# KiCad board AnalogFNN.kicad_pcb (continued)
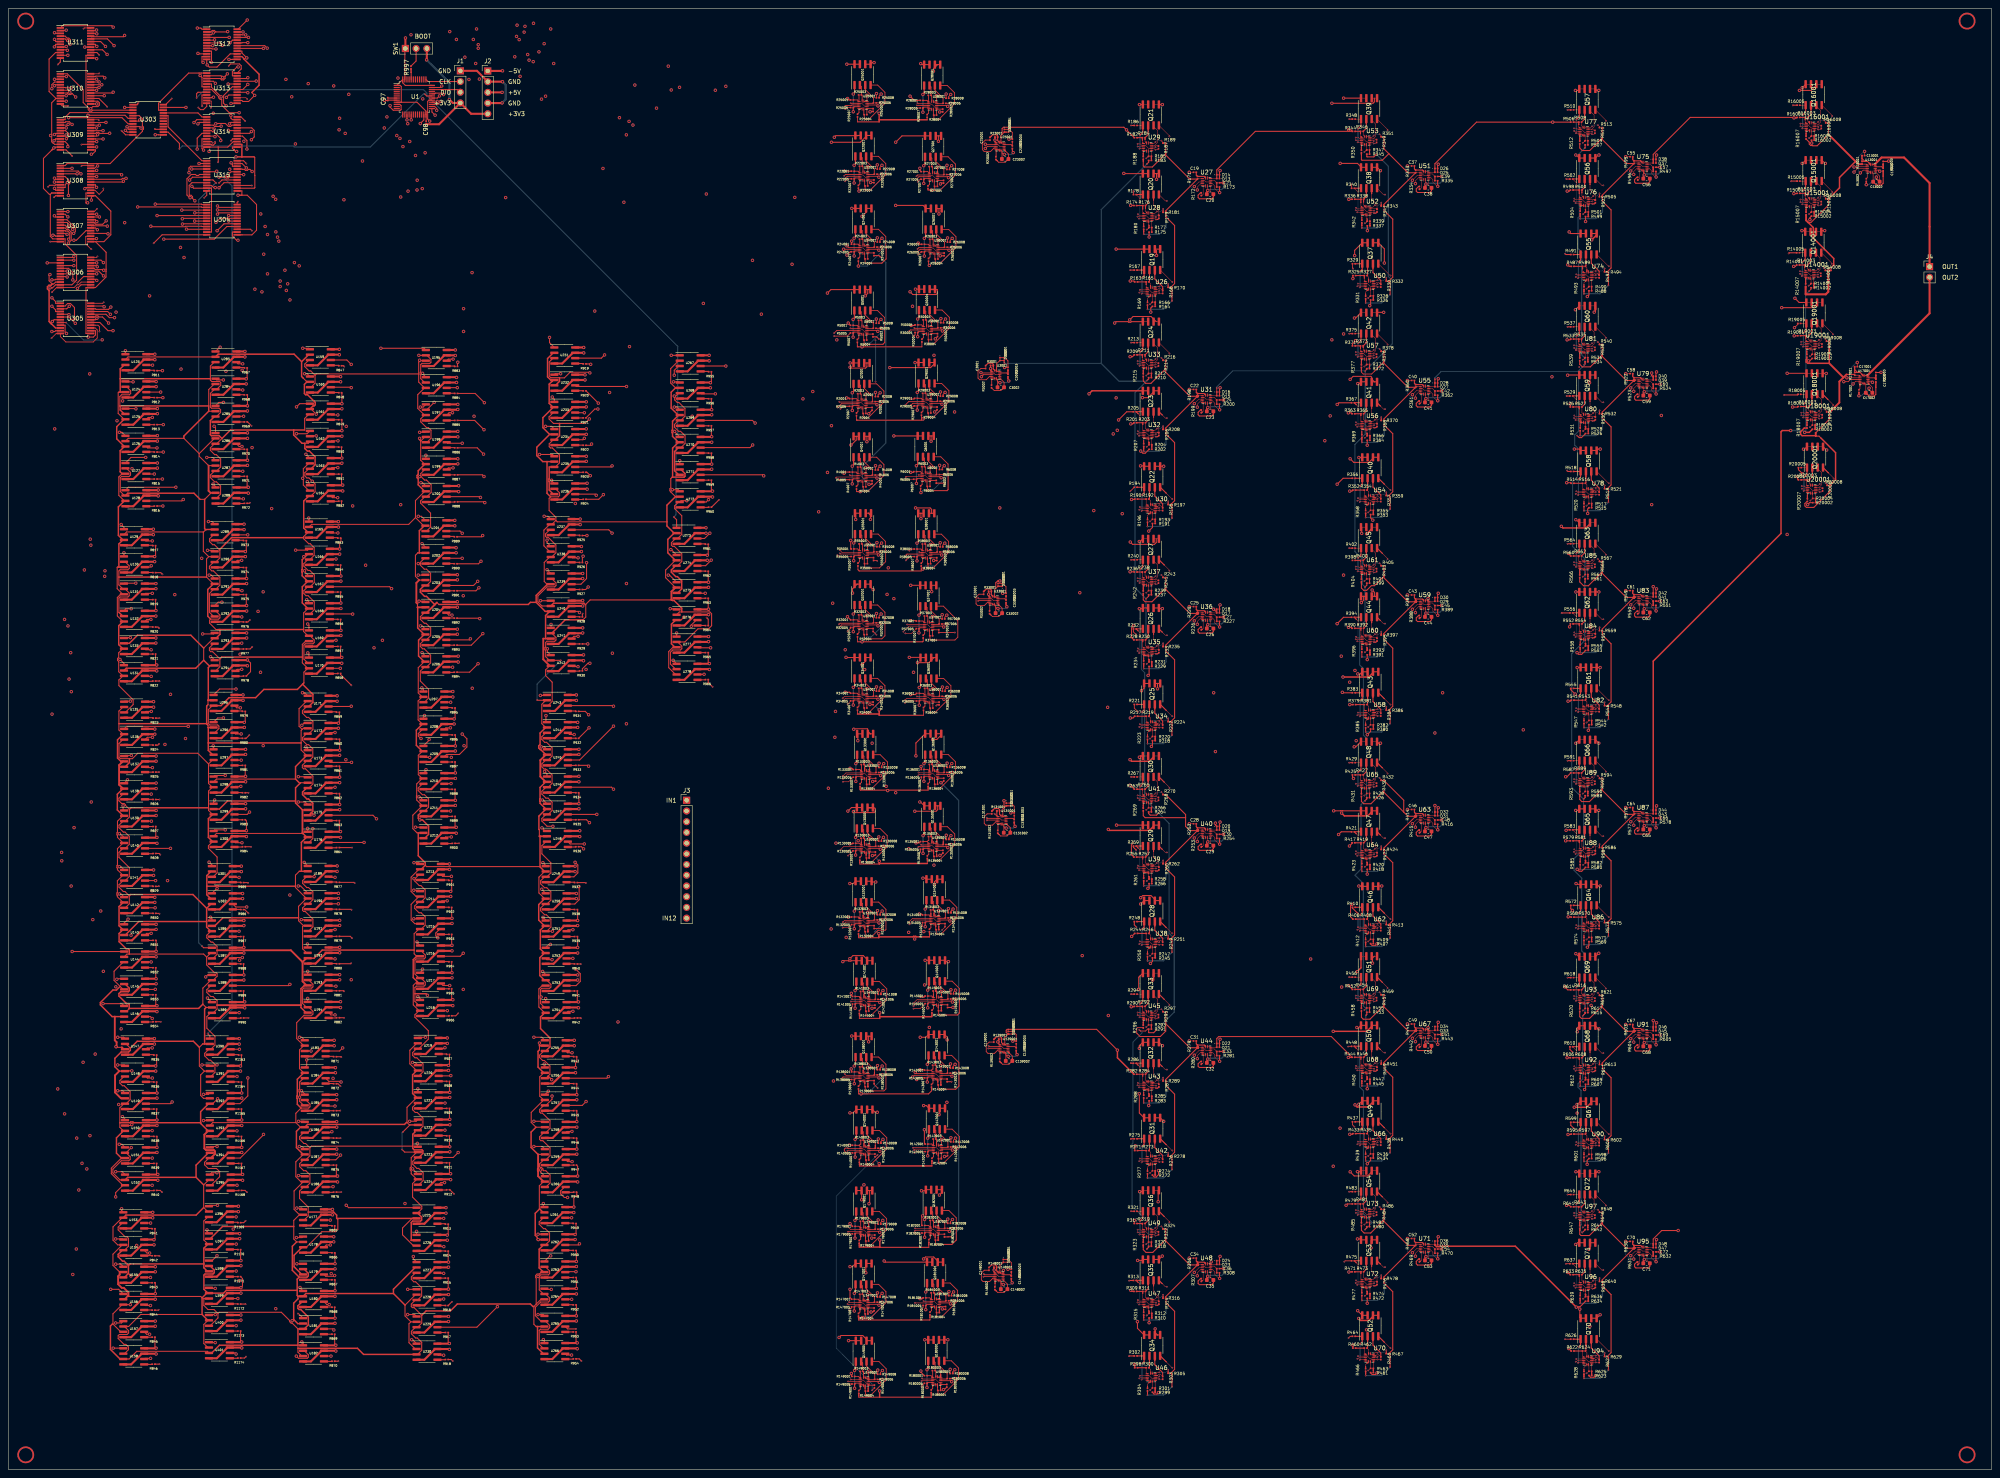
[diagram p0: board, top side]
## Routing (per net, layer and track width the routed paths; a pad name or vN(x,y) marks a point on that pad's centre or on a via; arc(x,y) is an arc through that point) (continued)
Net-(U46A--): length 3.5
  Top w0.1: 269.64,24.07 269.64,22.97 269.86,22.74
  Top w0.25: U46.1 269.86,22.74 ; R298.2 R300.1
Net-(U46B--): length 3.7
  Top w0.1: U46.5 270.51,21.1 U46.6 269.96,20.25 R304.1
  Top w0.25: 269.96,19.77 R304.1 ; 270.31,20.6 U46.6
Net-(U46C--): length 3.6
  Top w0.1: 271.78,21.07 R301.1
  Top w0.25: U46.8 271.81,21 271.78,20.97 ; 271.78,18.6 R299.2 271.78,18.6 ; 271.78,18.6 271.78,18.85 ; 271.78,18.85 R301.1 271.78,18.85
Net-(U46D--): length 5.6
  Top w0.1: 274.86,22.87 v2(274.86,23.65) ; U46.13 271.21,22.7 U46.12 272.16,23.05 v2(272.76,23.05)
  Top w0.25: 274.86,23.26 274.84,23.24 R305.1 ; U46.13 271.13,22.77
  Bottom w0.1: v2(274.86,23.65) 274.26,23.05 v2(272.76,23.05)
Net-(U47A--): length 3.9
  Top w0.1: R311.1 268.84,40.62 U47.1
  Top w0.25: 268.84,41.81 R311.1 R309.2
Net-(U47B--): length 3.6
  Top w0.1: R315.1 269.06,38.7 ; U47.5 269.26,38.6 U47.6
  Top w0.25: 269.18,38.68 U47.5 ; 269.56,38.6 269.06,38.6 ; 269.06,37.98 R315.1
Net-(U47C--): length 3.6
  Top w0.1: R312.1 270.98,38.72
  Top w0.25: 270.98,36.5 R312.1 270.98,36.5 ; 270.98,36.5 270.98,36.23 ; 270.98,36.22 R310.2 270.98,36.23 ; U47.8 270.98,38.72
Net-(U47D--): length 5.1
  Top w0.1: v2(273.66,41.45) 273.66,40.67 ; 271.33,40.35 271.66,40.35 v2(272.16,40.85) ; U47.12 270.86,40.5 U47.13
  Top w0.25: U47.12 271.33,40.35 271.33,40.35 ; 273.66,41.06 273.64,41.04 R316.1
  Bottom w0.1: v2(273.66,41.45) 273.06,40.85 v2(272.16,40.85)
Net-(U48B-+): length 8.7
  Top w0.1: U48.4 282.57,47.45 281.76,46.64 v1(281.76,45.95) ; C34.2 v1(279.86,50.15)
  Bottom w0.1: v1(281.76,45.95) 280.94,45.95 279.86,47.03 v1(279.86,50.15)
Net-(U48B--): length 3.9
  Top w0.1: U48.6 283.59,47.05 U48.5 283.14,46.9 283.14,44.94 282.84,44.63
  Top w0.25: 283.07,46.98 U48.5 ; 282.99,44.78 282.85,44.78 R307.1
Net-(U48C--): length 8.5
  Top w0.1: C35.1 284.89,45.62 U48.8
  Top w0.25: R307.2 282.5,45.27 281.96,44.72 281.96,44.15 282.26,43.85 285.16,43.85 285.57,44.26 C35.1
Net-(U48D-+): length 2.7
  Top w0.1: C36.2 285.77,48.25 U48.11
  Top w0.25: R308.1 C36.2
Net-(U49A--): length 3
  Top w0.1: U49.1 268.74,57.22 R319.1
  Top w0.25: R317.2 R319.1 268.74,58.16
Net-(U49B--): length 3
  Top w0.1: U49.6 269.61,55.35 U49.5
  Top w0.25: 268.96,54.58 R323.1 268.96,54.58 ; 268.96,54.58 268.96,55.3 268.98,55.32 269.01,55.32
  Top w0.35: 269.01,55.32 U49.5
Net-(U49C--): length 3.2
  Top w0.1: R320.1 270.88,55.32
  Top w0.25: U49.8 270.88,55.32 ; 270.88,53.2 R318.2 270.88,53.2 ; 270.88,53.2 270.88,53.45 ; 270.88,53.45 R320.1 270.88,53.45
Net-(U49D--): length 4.2
  Top w0.1: 273.64,57.16 273.64,57.27 v2(273.26,57.65) ; v2(271.86,57.35) 271.46,56.95 U49.12 270.76,57.1 U49.13
  Top w0.25: 273.64,57.16 R324.1
  Bottom w0.1: v2(273.26,57.65) 272.16,57.65 v2(271.86,57.35)
Net-(U50A--): length 4.4
  Top w0.1: U50.1 321.34,281.97 R327.1
  Top w0.25: 321.34,282.56 R327.1 R325.2 ; 321.47,281.83 U50.1
Net-(U50B--): length 3.7
  Top w0.1: U50.5 322.21,280.1 U50.6 321.66,279.25 R331.1
  Top w0.25: 321.66,278.77 R331.1 ; 322.01,279.6 U50.6
Net-(U50C--): length 3.4
  Top w0.1: R328.1 323.48,280.07
  Top w0.25: 323.48,277.85 R328.1 ; 323.48,277.85 R326.2 323.48,277.85 ; 323.48,279.97 323.51,280 U50.8
Net-(U50D--): length 5.5
  Top w0.1: v2(326.56,282.65) 326.56,281.87 ; U50.12 323.86,282.05 v2(324.46,282.05) ; 323.21,281.7 322.91,281.7 U50.13
  Top w0.25: 323.21,281.7 U50.12 ; R332.1 326.54,282.24 326.56,282.26
  Bottom w0.1: v2(326.56,282.65) 325.96,282.05 v2(324.46,282.05)
Net-(U51B-+): length 8.7
  Top w0.1: v1(333.46,304.95) 333.46,305.64 334.27,306.45 U51.4 ; C37.2 v1(331.56,309.15)
  Bottom w0.1: v1(333.46,304.95) 332.64,304.95 331.56,306.03 v1(331.56,309.15)
Net-(U51B--): length 3.6
  Top w0.1: U51.6 335.29,306.05 U51.5 334.84,305.9 334.84,303.94 334.54,303.63
  Top w0.25: R334.1 334.54,303.63
Net-(U51C--): length 8.5
  Top w0.1: C38.1 336.59,304.62 U51.8
  Top w0.25: R334.2 334.2,304.27 333.66,303.72 333.66,303.15 333.96,302.85 336.86,302.85 337.27,303.26 C38.1
Net-(U51D-+): length 2.7
  Top w0.1: U51.11 337.47,307.25 C39.2
  Top w0.25: R335.1 C39.2
Net-(U52A--): length 4.5
  Top w0.1: R338.1 320.54,299.62 U52.1
  Top w0.25: 320.54,300.43 R338.1 R336.2 ; 320.67,299.48 U52.1
Net-(U52B--): length 3.5
  Top w0.1: R342.1 320.76,297.7 ; U52.6 320.96,297.6 U52.5
  Top w0.25: 320.76,296.98 R342.1 ; 321.26,297.6 320.76,297.6
Net-(U52C--): length 3.4
  Top w0.1: R339.1 322.68,297.72
  Top w0.25: 322.68,295.5 R339.1 ; 322.68,295.5 R337.2 322.68,295.5 ; U52.8 322.68,297.72
Net-(U52D--): length 5.1
  Top w0.1: v2(325.36,300.45) 325.36,299.67 ; v2(323.86,299.85) 323.36,299.35 U52.12 322.56,299.5 U52.13
  Top w0.25: 325.36,300.06 325.34,300.04 R343.1
  Bottom w0.1: v2(323.86,299.85) 324.76,299.85 v2(325.36,300.45)
Net-(U53A--): length 3.5
  Top w0.1: U53.1 320.44,316.22 R346.1
  Top w0.25: 320.57,316.08 U53.1 ; R344.2 R346.1 320.44,316.78
Net-(U53B--): length 3.1
  Top w0.1: U53.5 321.31,314.35 U53.6
  Top w0.25: 320.66,313.58 R350.1 320.66,313.58 ; 320.66,313.58 320.66,314.3 320.68,314.32 320.71,314.32 U53.5 ; 321.38,314.27 U53.6
Net-(U53C--): length 2.9
  Top w0.1: R347.1 322.58,314.32
  Top w0.25: U53.8 322.58,314.32 ; R347.1 322.58,312.45 ; 322.58,312.45 R345.2 322.58,312.45
Net-(U53D--): length 4.2
  Top w0.1: v2(323.56,316.35) 323.16,315.95 U53.12 322.46,316.1 U53.13 ; 325.34,316.16 325.34,316.27 v2(324.96,316.65)
  Top w0.25: 325.34,316.16 R351.1
  Bottom w0.1: v2(323.56,316.35) 323.86,316.65 v2(324.96,316.65)
Net-(U54A--): length 3.5
  Top w0.1: 321.34,232.2 321.34,231.1 321.56,230.87
  Top w0.25: R352.2 R354.1 ; U54.1 321.56,230.87
Net-(U54B--): length 3.7
  Top w0.1: U54.5 322.21,229.23 U54.6 321.66,228.38 R358.1
  Top w0.25: 322.01,228.73 U54.6 ; 321.66,227.9 R358.1
Net-(U54C--): length 3.6
  Top w0.1: R355.1 323.48,229.2
  Top w0.25: 323.48,229.1 323.51,229.13 U54.8 ; 323.48,226.73 323.48,226.98 ; 323.48,226.73 R353.2 323.48,226.73 ; 323.48,226.98 R355.1 323.48,226.98
Net-(U54D--): length 5.6
  Top w0.1: v2(324.46,231.18) 323.86,231.18 U54.12 322.91,230.83 U54.13 ; v2(326.56,231.78) 326.56,231
  Top w0.25: U54.13 322.83,230.91 ; R359.1 326.54,231.37 326.56,231.39
  Bottom w0.1: v2(324.46,231.18) 325.96,231.18 v2(326.56,231.78)
Net-(U55B-+): length 8.7
  Top w0.1: C40.2 v1(331.56,258.28) ; v1(333.46,254.08) 333.46,254.77 334.27,255.58 U55.4
  Bottom w0.1: v1(333.46,254.08) 332.64,254.08 331.56,255.16 v1(331.56,258.28)
Net-(U55B--): length 3.9
  Top w0.1: U55.6 335.29,255.18 U55.5 334.84,255.03 334.84,253.07 334.54,252.76
  Top w0.25: 334.69,252.91 334.55,252.91 R361.1 ; 334.77,255.11 U55.5
Net-(U55C--): length 8.5
  Top w0.1: C41.1 336.59,253.75 U55.8
  Top w0.25: R361.2 334.2,253.4 333.66,252.85 333.66,252.28 333.96,251.98 336.86,251.98 337.27,252.39 C41.1
Net-(U55D-+): length 2.7
  Top w0.1: U55.11 337.47,256.38 C42.2
  Top w0.25: R362.1 C42.2
Net-(U56A--): length 3.9
  Top w0.1: R365.1 320.54,248.75 U56.1
  Top w0.25: 320.54,249.94 R365.1 R363.2
Net-(U56B--): length 3.6
  Top w0.1: U56.5 320.96,246.73 U56.6 ; 320.76,246.83 R369.1
  Top w0.25: 320.76,246.12 320.76,246.11 R369.1 ; 321.26,246.73 320.76,246.73 ; 320.88,246.81 U56.5
Net-(U56C--): length 3.3
  Top w0.1: R366.1 322.68,246.85
  Top w0.25: 322.68,244.63 R366.1 322.68,244.63 ; 322.68,244.63 322.68,244.11 ; U56.8 322.68,246.85
Net-(U56D--): length 5.1
  Top w0.1: U56.13 322.56,248.63 U56.12 ; 323.03,248.48 323.36,248.48 v2(323.86,248.98) ; 325.36,248.8 v2(325.36,249.58)
  Top w0.25: 325.36,249.19 325.34,249.17 R370.1 ; 323.03,248.48 323.03,248.48 U56.12
  Bottom w0.1: v2(323.86,248.98) 324.76,248.98 v2(325.36,249.58)
Net-(U57A--): length 3.5
  Top w0.1: R373.1 320.44,265.35 U57.1
  Top w0.25: R371.2 R373.1 320.44,265.91 ; 320.57,265.21 U57.1
Net-(U57B--): length 3.1
  Top w0.1: U57.5 321.31,263.48 U57.6
  Top w0.25: U57.5 320.71,263.45 320.68,263.45 320.66,263.43 320.66,262.71 ; 320.66,262.71 R377.1 320.66,262.71 ; U57.6 321.38,263.4
Net-(U57C--): length 2.9
  Top w0.1: R374.1 322.58,263.45
  Top w0.25: U57.8 322.58,263.45 ; 322.58,261.58 R372.2 ; 322.58,261.58 R374.1 322.58,261.58
Net-(U57D--): length 4.2
  Top w0.1: 325.34,265.29 325.34,265.4 v2(324.96,265.78) ; U57.13 322.46,265.23 U57.12 323.16,265.08 v2(323.56,265.48)
  Top w0.25: 325.34,265.29 R378.1
  Bottom w0.1: v2(323.56,265.48) 323.86,265.78 v2(324.96,265.78)
Net-(U58A--): length 3.5
  Top w0.1: 321.56,180 321.34,180.23 321.34,181.33
  Top w0.25: U58.1 321.56,180 ; R379.2 R381.1
Net-(U58B--): length 3.7
  Top w0.1: R385.1 321.66,177.51 U58.6 322.21,178.36 U58.5
  Top w0.25: 322.01,177.86 U58.6 ; 321.66,177.03 R385.1
Net-(U58C--): length 3.4
  Top w0.1: 323.48,178.33 R382.1
  Top w0.25: R380.2 323.48,176.11 ; 323.48,176.11 R382.1 323.48,176.11 ; U58.8 323.51,178.26 323.48,178.23
Net-(U58D--): length 5.6
  Top w0.1: 326.56,180.13 v2(326.56,180.91) ; v2(324.46,180.31) 323.86,180.31 U58.12 322.91,179.96 U58.13
  Top w0.25: U58.13 322.83,180.03 ; 326.56,180.52 326.54,180.5 R386.1
  Bottom w0.1: v2(324.46,180.31) 325.96,180.31 v2(326.56,180.91)
Net-(U59B-+): length 8.7
  Top w0.1: C43.2 v1(331.56,207.41) ; U59.4 334.27,204.71 333.46,203.9 v1(333.46,203.21)
  Bottom w0.1: v1(333.46,203.21) 332.64,203.21 331.56,204.29 v1(331.56,207.41)
Net-(U59B--): length 3.9
  Top w0.1: 334.54,201.89 334.84,202.2 334.84,204.16 U59.5 335.29,204.31 U59.6
  Top w0.25: 334.77,204.24 U59.5 ; 334.69,202.04 334.55,202.04 R388.1
Net-(U59C--): length 8.5
  Top w0.1: C44.1 336.59,202.88 U59.8
  Top w0.25: R388.2 334.2,202.53 333.66,201.98 333.66,201.41 333.96,201.11 336.86,201.11 337.27,201.52 C44.1
Net-(U59D-+): length 2.7
  Top w0.1: C45.2 337.47,205.51 U59.11
  Top w0.25: R389.1 C45.2
Net-(U60A--): length 3.9
  Top w0.1: U60.1 320.54,197.88 R392.1
  Top w0.25: R390.2 R392.1 320.54,199.07
Net-(U60B--): length 3.6
  Top w0.1: 320.76,195.96 R396.1 ; U60.6 320.96,195.86 U60.5
  Top w0.25: 320.76,195.24 R396.1 ; 321.26,195.86 320.76,195.86 ; 320.88,195.94 U60.5
Net-(U60C--): length 3.6
  Top w0.1: R393.1 322.68,195.98
  Top w0.25: U60.8 322.68,195.98 ; 322.68,193.49 R391.2 322.68,193.48 ; 322.68,193.49 322.68,193.76 ; 322.68,193.76 R393.1 322.68,193.76
Net-(U60D--): length 5.1
  Top w0.1: 323.03,197.61 323.36,197.61 v2(323.86,198.11) ; 325.36,197.93 v2(325.36,198.71) ; U60.12 322.56,197.76 U60.13
  Top w0.25: 325.36,198.32 325.34,198.3 R397.1 ; 323.03,197.61 323.03,197.61 U60.12
  Bottom w0.1: v2(325.36,198.71) 324.76,198.11 v2(323.86,198.11)
Net-(U61A--): length 3
  Top w0.1: R400.1 320.44,214.48 U61.1
  Top w0.25: 320.44,215.42 R400.1 R398.2
Net-(U61B--): length 3
  Top w0.1: U61.6 321.31,212.61 321.01,212.61
  Top w0.25: 321.01,212.61 U61.5 ; 320.66,211.84 R404.1 320.66,211.84 ; 320.66,211.84 320.66,212.56 320.68,212.59 320.71,212.59
  Top w0.35: U61.5 320.71,212.59
Net-(U61C--): length 2.9
  Top w0.1: R401.1 322.58,212.58
  Top w0.25: 322.58,210.71 R399.2 ; 322.58,210.71 R401.1 322.58,210.71 ; U61.8 322.58,212.58
Net-(U61D--): length 4.2
  Top w0.1: v2(324.96,214.91) 325.34,214.53 325.34,214.42 ; v2(323.56,214.61) 323.16,214.21 U61.12 322.46,214.36 U61.13
  Top w0.25: 325.34,214.42 R405.1
  Bottom w0.1: v2(323.56,214.61) 323.86,214.91 v2(324.96,214.91)
Net-(U62A--): length 3.5
  Top w0.1: 321.34,130.46 321.34,129.36 321.56,129.13
  Top w0.25: U62.1 321.56,129.13 ; R406.2 R408.1
Net-(U62B--): length 3.7
  Top w0.1: R412.1 321.66,126.64 U62.6 322.21,127.49 U62.5
  Top w0.25: 321.66,126.16 R412.1 ; 322.01,126.99 U62.6
Net-(U62C--): length 3.4
  Top w0.1: R409.1 323.48,127.46
  Top w0.25: U62.8 323.51,127.39 323.48,127.36 ; 323.48,125.24 R409.1 323.48,125.24 ; 323.48,125.24 R407.2
Net-(U62D--): length 5.6
  Top w0.1: v2(326.56,130.04) 326.56,129.26 ; v2(324.46,129.44) 323.86,129.44 U62.12 322.91,129.09 U62.13
  Top w0.25: U62.13 322.83,129.16 ; 326.56,129.65 326.54,129.63 R413.1
  Bottom w0.1: v2(324.46,129.44) 325.96,129.44 v2(326.56,130.04)
Net-(U63B-+): length 8.7
  Top w0.1: v1(333.46,152.34) 333.46,153.03 334.27,153.84 U63.4 ; C46.2 v1(331.56,156.54)
  Bottom w0.1: v1(333.46,152.34) 332.64,152.34 331.56,153.42 v1(331.56,156.54)
Net-(U63B--): length 3.9
  Top w0.1: 334.54,151.02 334.84,151.33 334.84,153.29 U63.5 335.29,153.44 U63.6
  Top w0.25: R415.1 334.55,151.17 334.69,151.17 ; 334.77,153.37 U63.5
Net-(U63C--): length 8.5
  Top w0.1: C47.1 336.59,152.01 U63.8
  Top w0.25: C47.1 337.27,150.65 336.86,150.24 333.96,150.24 333.66,150.54 333.66,151.11 334.2,151.66 R415.2
Net-(U63D-+): length 2.7
  Top w0.1: C48.2 337.47,154.64 U63.11
  Top w0.25: R416.1 C48.2
Net-(U64A--): length 3.9
  Top w0.1: R419.1 320.54,147.01 U64.1
  Top w0.25: R417.2 R419.1 320.54,148.2
Net-(U64B--): length 3.6
  Top w0.1: R423.1 320.76,145.09 ; U64.5 320.96,144.99 U64.6
  Top w0.25: 320.76,144.38 320.76,144.37 R423.1 ; 320.88,145.06 U64.5 ; 321.26,144.99 320.76,144.99
Net-(U64C--): length 3.6
  Top w0.1: R420.1 322.68,145.11
  Top w0.25: 322.68,142.62 322.68,142.89 ; 322.68,142.62 322.68,142.61 R418.2 322.68,142.62 ; 322.68,142.89 R420.1 322.68,142.89 ; U64.8 322.68,145.11
Net-(U64D--): length 5.1
  Top w0.1: v2(325.36,147.84) 325.36,147.06 ; v2(323.86,147.24) 323.36,146.74 323.03,146.74 ; U64.12 322.56,146.89 U64.13
  Top w0.25: U64.12 323.03,146.74 323.03,146.74 ; R424.1 325.34,147.43 325.36,147.45
  Bottom w0.1: v2(325.36,147.84) 324.76,147.24 v2(323.86,147.24)
Net-(U65A--): length 3
  Top w0.1: R427.1 320.44,163.61 U65.1
  Top w0.25: 320.44,164.55 R427.1 R425.2
Net-(U65B--): length 3
  Top w0.1: U65.6 321.31,161.74 U65.5
  Top w0.25: 320.66,160.97 R431.1 320.66,160.97 320.66,160.97 ; 320.66,160.97 320.66,161.69 320.68,161.72 320.71,161.72
  Top w0.35: U65.5 320.71,161.72
Net-(U65C--): length 2.9
  Top w0.1: R428.1 322.58,161.71
  Top w0.25: 322.58,159.84 R428.1 322.58,159.84 ; 322.58,159.84 R426.2 ; U65.8 322.58,161.71
Net-(U65D--): length 4.2
  Top w0.1: 325.34,163.55 325.34,163.66 v2(324.96,164.04) ; v2(323.56,163.74) 323.16,163.34 U65.12 322.46,163.49 U65.13
  Top w0.25: 325.34,163.55 R432.1
  Bottom w0.1: v2(323.56,163.74) 323.86,164.04 v2(324.96,164.04)
Net-(U66A--): length 3.5
  Top w0.1: 321.34,79.59 321.34,78.49 321.56,78.26
  Top w0.25: U66.1 321.56,78.26 ; R433.2 R435.1
Net-(U66B--): length 3.7
  Top w0.1: R439.1 321.66,75.77 U66.6 322.21,76.62 U66.5
  Top w0.25: 321.66,75.29 R439.1 ; 322.01,76.12 U66.6
Net-(U66C--): length 3.6
  Top w0.1: R436.1 323.48,76.59
  Top w0.25: 323.48,74.12 R434.2 323.48,74.12 ; 323.48,74.12 323.48,74.37 ; 323.48,74.37 R436.1 323.48,74.37 ; U66.8 323.51,76.52 323.48,76.49
Net-(U66D--): length 5.6
  Top w0.1: U66.13 322.91,78.22 U66.12 323.86,78.57 v2(324.46,78.57) ; 326.56,78.39 v2(326.56,79.17)
  Top w0.25: 326.56,78.78 326.54,78.76 R440.1 ; 322.83,78.3 U66.13
  Bottom w0.1: v2(326.56,79.17) 325.96,78.57 v2(324.46,78.57)
Net-(U67B-+): length 8.7
  Top w0.1: v1(333.46,101.47) 333.46,102.16 334.27,102.97 U67.4 ; C49.2 v1(331.56,105.67)
  Bottom w0.1: v1(331.56,105.67) 331.56,102.55 332.64,101.47 v1(333.46,101.47)
Net-(U67B--): length 3.9
  Top w0.1: U67.6 335.29,102.57 U67.5 334.84,102.42 334.84,100.46 334.54,100.15
  Top w0.25: 334.77,102.5 U67.5 ; R442.1 334.55,100.3 334.69,100.3
Net-(U67C--): length 8.5
  Top w0.1: U67.8 336.59,101.14 C50.1
  Top w0.25: R442.2 334.2,100.79 333.66,100.24 333.66,99.67 333.96,99.37 336.86,99.37 337.27,99.78 C50.1
Net-(U67D-+): length 2.7
  Top w0.1: U67.11 337.47,103.77 C51.2
  Top w0.25: R443.1 C51.2
Net-(U68A--): length 3.9
  Top w0.1: U68.1 320.54,96.14 R446.1
  Top w0.25: 320.54,97.33 R446.1 R444.2
Net-(U68B--): length 3.6
  Top w0.1: 320.76,94.22 R450.1 ; U68.5 320.96,94.12 U68.6
  Top w0.25: 320.88,94.19 U68.5 ; 320.76,93.5 R450.1 ; 321.26,94.12 320.76,94.12
Net-(U68C--): length 3.6
  Top w0.1: R447.1 322.68,94.24
  Top w0.25: 322.68,91.74 R445.2 322.68,91.75 ; 322.68,91.75 322.68,92.02 ; 322.68,92.02 R447.1 322.68,92.02 ; U68.8 322.68,94.24
Net-(U68D--): length 5.1
  Top w0.1: 325.36,96.19 v2(325.36,96.97) ; U68.12 322.56,96.02 U68.13 ; 323.03,95.87 323.36,95.87 v2(323.86,96.37)
  Top w0.25: 325.36,96.58 325.34,96.56 R451.1 ; U68.12 323.03,95.87 323.03,95.87
  Bottom w0.1: v2(323.86,96.37) 324.76,96.37 v2(325.36,96.97)
Net-(U69A--): length 3
  Top w0.1: U69.1 320.44,112.74 R454.1
  Top w0.25: R452.2 R454.1 320.44,113.68
Net-(U69B--): length 3
  Top w0.1: U69.5 321.31,110.87 U69.6
  Top w0.25: 320.71,110.84 320.68,110.84 320.66,110.82 320.66,110.1 ; 320.66,110.1 R458.1 320.66,110.1
  Top w0.35: U69.5 320.71,110.84
Net-(U69C--): length 3.2
  Top w0.1: R455.1 322.58,110.84
  Top w0.25: 322.58,108.97 322.58,108.72 ; 322.58,108.97 R455.1 322.58,108.97 ; 322.58,108.72 R453.2 322.58,108.72 ; U69.8 322.58,110.84
Net-(U69D--): length 4.2
  Top w0.1: U69.13 322.46,112.62 U69.12 323.16,112.47 v2(323.56,112.87) ; v2(324.96,113.17) 325.34,112.79 325.34,112.68
  Top w0.25: 325.34,112.68 R459.1
  Bottom w0.1: v2(323.56,112.87) 323.86,113.17 v2(324.96,113.17)
Net-(U70A--): length 3.5
  Top w0.1: 321.34,28.72 321.34,27.62 321.56,27.39
  Top w0.25: R460.2 R462.1 ; U70.1 321.56,27.39
Net-(U70B--): length 3.7
  Top w0.1: U70.5 322.21,25.75 U70.6 321.66,24.9 R466.1
  Top w0.25: 322.01,25.25 U70.6 ; 321.66,24.42 R466.1
Net-(U70C--): length 3.4
  Top w0.1: R463.1 323.48,25.72
  Top w0.25: 323.48,25.62 323.51,25.65 U70.8 ; R461.2 323.48,23.5 ; 323.48,23.5 R463.1 323.48,23.5
Net-(U70D--): length 5.6
  Top w0.1: U70.13 322.91,27.35 U70.12 323.86,27.7 v2(324.46,27.7) ; 326.56,27.52 v2(326.56,28.3)
  Top w0.25: U70.13 322.83,27.43 ; R467.1 326.54,27.89 326.56,27.91
  Bottom w0.1: v2(326.56,28.3) 325.96,27.7 v2(324.46,27.7)
Net-(U71B-+): length 8.7
  Top w0.1: C52.2 v1(331.56,54.8) ; v1(333.46,50.6) 333.46,51.29 334.27,52.1 U71.4
  Bottom w0.1: v1(331.56,54.8) 331.56,51.68 332.64,50.6 v1(333.46,50.6)
Net-(U71B--): length 3.9
  Top w0.1: 334.54,49.28 334.84,49.59 334.84,51.55 U71.5 335.29,51.7 U71.6
  Top w0.25: 334.69,49.43 334.55,49.43 R469.1 ; 334.77,51.62 U71.5
Net-(U71C--): length 8.5
  Top w0.1: C53.1 336.59,50.27 U71.8
  Top w0.25: R469.2 334.2,49.92 333.66,49.37 333.66,48.8 333.96,48.5 336.86,48.5 337.27,48.91 C53.1
Net-(U71D-+): length 2.7
  Top w0.1: C54.2 337.47,52.9 U71.11
  Top w0.25: R470.1 C54.2
Net-(U72A--): length 3.9
  Top w0.1: U72.1 320.54,45.27 R473.1
  Top w0.25: R471.2 R473.1 320.54,46.46
Net-(U72B--): length 3.6
  Top w0.1: 320.76,43.35 R477.1 ; U72.6 320.96,43.25 U72.5
  Top w0.25: R477.1 320.76,42.63 320.76,42.63 ; 320.88,43.32 U72.5 ; 321.26,43.25 320.76,43.25
Net-(U72C--): length 3.3
  Top w0.1: R474.1 322.68,43.37
  Top w0.25: 322.68,40.63 322.68,41.15 ; 322.68,41.15 R474.1 322.68,41.15 ; U72.8 322.68,43.37
Net-(U72D--): length 5.1
  Top w0.1: v2(325.36,46.1) 325.36,45.32 ; U72.13 322.56,45.15 U72.12 ; v2(323.86,45.5) 323.36,45 323.03,45
  Top w0.25: 323.03,45 323.03,45 U72.12 ; R478.1 325.34,45.69 325.36,45.71
  Bottom w0.1: v2(325.36,46.1) 324.76,45.5 v2(323.86,45.5)
Net-(U73A--): length 3
  Top w0.1: R481.1 320.44,61.87 U73.1
  Top w0.25: R479.2 R481.1 320.44,62.81
Net-(U73B--): length 3
  Top w0.1: 321.01,60 321.31,60 U73.6
  Top w0.25: 320.71,59.98 320.68,59.98 320.66,59.95 320.66,59.24 ; 320.66,59.24 R485.1 320.66,59.23 320.66,59.24 ; 321.01,60 U73.5
  Top w0.35: U73.5 320.71,59.98
Net-(U73C--): length 2.9
  Top w0.1: R482.1 322.58,59.97
  Top w0.25: 322.58,58.1 R480.2 ; 322.58,58.1 R482.1 322.58,58.1 ; U73.8 322.58,59.97
Net-(U73D--): length 4.2
  Top w0.1: 325.34,61.81 325.34,61.92 v2(324.96,62.3) ; U73.13 322.46,61.75 U73.12 323.16,61.6 v2(323.56,62)
  Top w0.25: 325.34,61.81 R486.1
  Bottom w0.1: v2(324.96,62.3) 323.86,62.3 v2(323.56,62)
Net-(U74A--): length 4.4
  Top w0.1: U74.1 373.08,284.16 R489.1
  Top w0.25: U74.1 373.21,284.02 373.21,284.02 ; 373.08,284.75 R489.1 R487.2
Net-(U74B--): length 3.7
  Top w0.1: R493.1 373.4,281.44 U74.6 373.95,282.29 U74.5
  Top w0.25: 373.4,280.96 R493.1 ; 373.75,281.79 U74.6
Net-(U74C--): length 2.8
  Top w0.1: 375.22,280.61 375.22,282.26
  Top w0.25: U74.8 375.25,282.19 375.22,282.16 ; R488.2 R490.1
Net-(U74D--): length 5.5
  Top w0.1: v2(376.2,284.24) 375.6,284.24 U74.12 ; 374.95,283.89 374.65,283.89 U74.13 ; v2(378.3,284.84) 378.3,284.06
  Top w0.25: 378.3,284.45 378.28,284.43 R494.1 ; 374.95,283.89 U74.12
  Bottom w0.1: v2(376.2,284.24) 377.7,284.24 v2(378.3,284.84)
Net-(U75B-+): length 8.7
  Top w0.1: U75.4 386.01,308.64 385.2,307.82 v1(385.2,307.14) ; C55.2 v1(383.3,311.34)
  Bottom w0.1: v1(385.2,307.14) 384.38,307.14 383.3,308.22 v1(383.3,311.34)
Net-(U75B--): length 3.7
  Top w0.1: 386.28,305.82 386.59,306.13 386.59,308.09 U75.5 387.04,308.24 U75.6
  Top w0.25: R496.1 386.28,305.82 ; 387.11,308.16 U75.6
Net-(U75C--): length 8.5
  Top w0.1: U75.8 388.34,306.81 C56.1
  Top w0.25: 389.01,305.79 389.01,305.45 388.6,305.04 385.7,305.04 385.4,305.34 385.4,305.91 385.94,306.46 R496.2 ; U75.8 388.34,307.86 388.34,307.86
Net-(U75D-+): length 3.5
  Top w0.1: C57.2 389.22,309.44 U75.11
  Top w0.25: 389.82,308.34 R497.1 389.82,308.34 ; 389.82,308.34 389.82,308.59 ; 389.82,308.59 C57.2 389.82,308.59
Net-(U76A--): length 4.5
  Top w0.1: U76.1 372.28,301.81 R500.1
  Top w0.25: U76.1 372.41,301.67 372.41,301.67 ; 372.28,302.62 372.28,302.62 R500.1 R498.2
Net-(U76B--): length 3.5
  Top w0.1: R504.1 372.5,299.89 ; U76.6 372.7,299.79 U76.5
  Top w0.25: 372.5,299.17 R504.1 ; 373,299.79 372.5,299.79
Net-(U76C--): length 3.4
  Top w0.1: R501.1 374.42,299.91
  Top w0.25: 374.42,297.69 R499.2 374.42,297.69 ; 374.42,297.69 R501.1 ; U76.8 374.42,299.91
Net-(U76D--): length 5.1
  Top w0.1: U76.13 374.3,301.69 U76.12 375.1,301.54 v2(375.6,302.04) ; 377.1,301.86 v2(377.1,302.64)
  Top w0.25: R505.1 377.08,302.23 377.1,302.25
  Bottom w0.1: v2(375.6,302.04) 376.5,302.04 v2(377.1,302.64)
Net-(U77A--): length 3.5
  Top w0.1: U77.1 372.18,318.41 R508.1
  Top w0.25: 372.31,318.27 372.31,318.27 U77.1 ; 372.18,318.97 372.18,318.97 R508.1 R506.2
Net-(U77B--): length 3.1
  Top w0.1: U77.6 373.05,316.54 U77.5
  Top w0.25: U77.5 372.45,316.51 372.42,316.51 372.4,316.49 372.4,315.77 ; 372.4,315.77 R512.1 372.4,315.77 ; 373.12,316.46 U77.6
Net-(U77C--): length 2.3
  Top w0.1: 374.32,315.21 374.32,316.51
  Top w0.25: U77.8 374.32,316.51 ; R509.1 R507.2
Net-(U77D--): length 4.2
  Top w0.1: 377.08,318.35 377.08,318.46 v2(376.7,318.84) ; v2(375.3,318.54) 374.9,318.14 U77.12 374.2,318.29 U77.13
  Top w0.25: 377.08,318.35 R513.1
  Bottom w0.1: v2(375.3,318.54) 375.6,318.84 v2(376.7,318.84)
Net-(U78A--): length 3.5
  Top w0.1: 373.08,233.82 373.08,232.71 373.31,232.49
  Top w0.25: R514.2 R516.1 ; U78.1 373.31,232.49
Net-(U78B--): length 3.2
  Top w0.1: R520.1 373.4,229.99 U78.6 373.95,230.84 373.65,230.84
  Top w0.25: 373.4,229.51 R520.1 ; 373.65,230.84 U78.5
Net-(U78C--): length 3.4
  Top w0.1: 375.22,230.81 R517.1
  Top w0.25: 375.22,230.72 375.25,230.75 U78.8 ; R515.2 375.22,228.59 ; 375.22,228.59 R517.1 375.22,228.59
Net-(U78D--): length 5.5
  Top w0.1: v2(376.2,232.79) 375.6,232.79 U78.12 ; U78.13 374.65,232.44 374.95,232.44 ; 378.3,232.61 v2(378.3,233.39)
  Top w0.25: R521.1 378.28,232.98 378.3,233 ; 374.95,232.44 U78.12
  Bottom w0.1: v2(376.2,232.79) 377.7,232.79 v2(378.3,233.39)
Net-(U79B-+): length 8.7
  Top w0.1: C58.2 v1(383.3,259.89) ; v1(385.2,255.69) 385.2,256.38 386.01,257.19 U79.4
  Bottom w0.1: v1(383.3,259.89) 383.3,256.77 384.38,255.69 v1(385.2,255.69)
Net-(U79B--): length 3.9
  Top w0.1: 386.28,254.37 386.59,254.68 386.59,256.64 U79.5 387.04,256.79 U79.6
  Top w0.25: 386.43,254.53 386.29,254.53 R523.1 ; U79.5 386.51,256.72
Net-(U79C--): length 8.5
  Top w0.1: C59.1 388.34,255.37 U79.8
  Top w0.25: 388.34,256.42 U79.8 ; R523.2 385.94,255.01 385.4,254.47 385.4,253.89 385.7,253.59 388.6,253.59 389.01,254.01 389.01,254.35
Net-(U79D-+): length 3.3
  Top w0.1: U79.11 389.22,257.99 C60.2
  Top w0.25: 389.82,256.47 389.82,256.89 ; 389.82,256.47 R524.1 389.82,256.47 ; 389.82,256.89 C60.2 389.82,256.89
Net-(U80A--): length 3.9
  Top w0.1: U80.1 372.28,250.36 R527.1
  Top w0.25: R525.2 R527.1 372.28,251.56
Net-(U80B--): length 3.5
  Top w0.1: U80.5 372.7,248.34 U80.6 ; 372.5,248.44 R531.1
  Top w0.25: 373,248.34 372.5,248.34 ; 372.5,247.73 R531.1
Net-(U80C--): length 3.3
  Top w0.1: R528.1 374.42,248.46
  Top w0.25: U80.8 374.42,248.46 ; 374.42,245.72 374.42,246.24 ; 374.42,246.24 R528.1 374.42,246.24
Net-(U80D--): length 5.1
  Top w0.1: U80.12 374.3,250.24 U80.13 ; 374.77,250.09 375.1,250.09 v2(375.6,250.59) ; 377.1,250.41 v2(377.1,251.19)
  Top w0.25: R532.1 377.08,250.78 377.1,250.8 ; 374.77,250.09 U80.12
  Bottom w0.1: v2(375.6,250.59) 376.5,250.59 v2(377.1,251.19)
Net-(U81A--): length 3.5
  Top w0.1: U81.1 372.18,266.96 R535.1
  Top w0.25: 372.18,267.53 372.18,267.53 R535.1 R533.2 ; 372.31,266.83 372.31,266.83 U81.1
Net-(U81B--): length 3.1
  Top w0.1: U81.6 373.05,265.09 U81.5
  Top w0.25: 372.4,264.33 372.4,265.04 372.42,265.07 372.45,265.07 U81.5 ; 372.4,264.33 R539.1 372.4,264.33 ; 373.12,265.02 U81.6
Net-(U81C--): length 2.9
  Top w0.1: R536.1 374.32,265.06
  Top w0.25: U81.8 374.32,265.06 ; 374.32,263.19 R534.2 374.32,263.19 ; 374.32,263.19 R536.1